# Allegro board A733_PRO3_AXP318_LPDDR5_FBGA315BALL_32X1_V2_0.brd (continued)
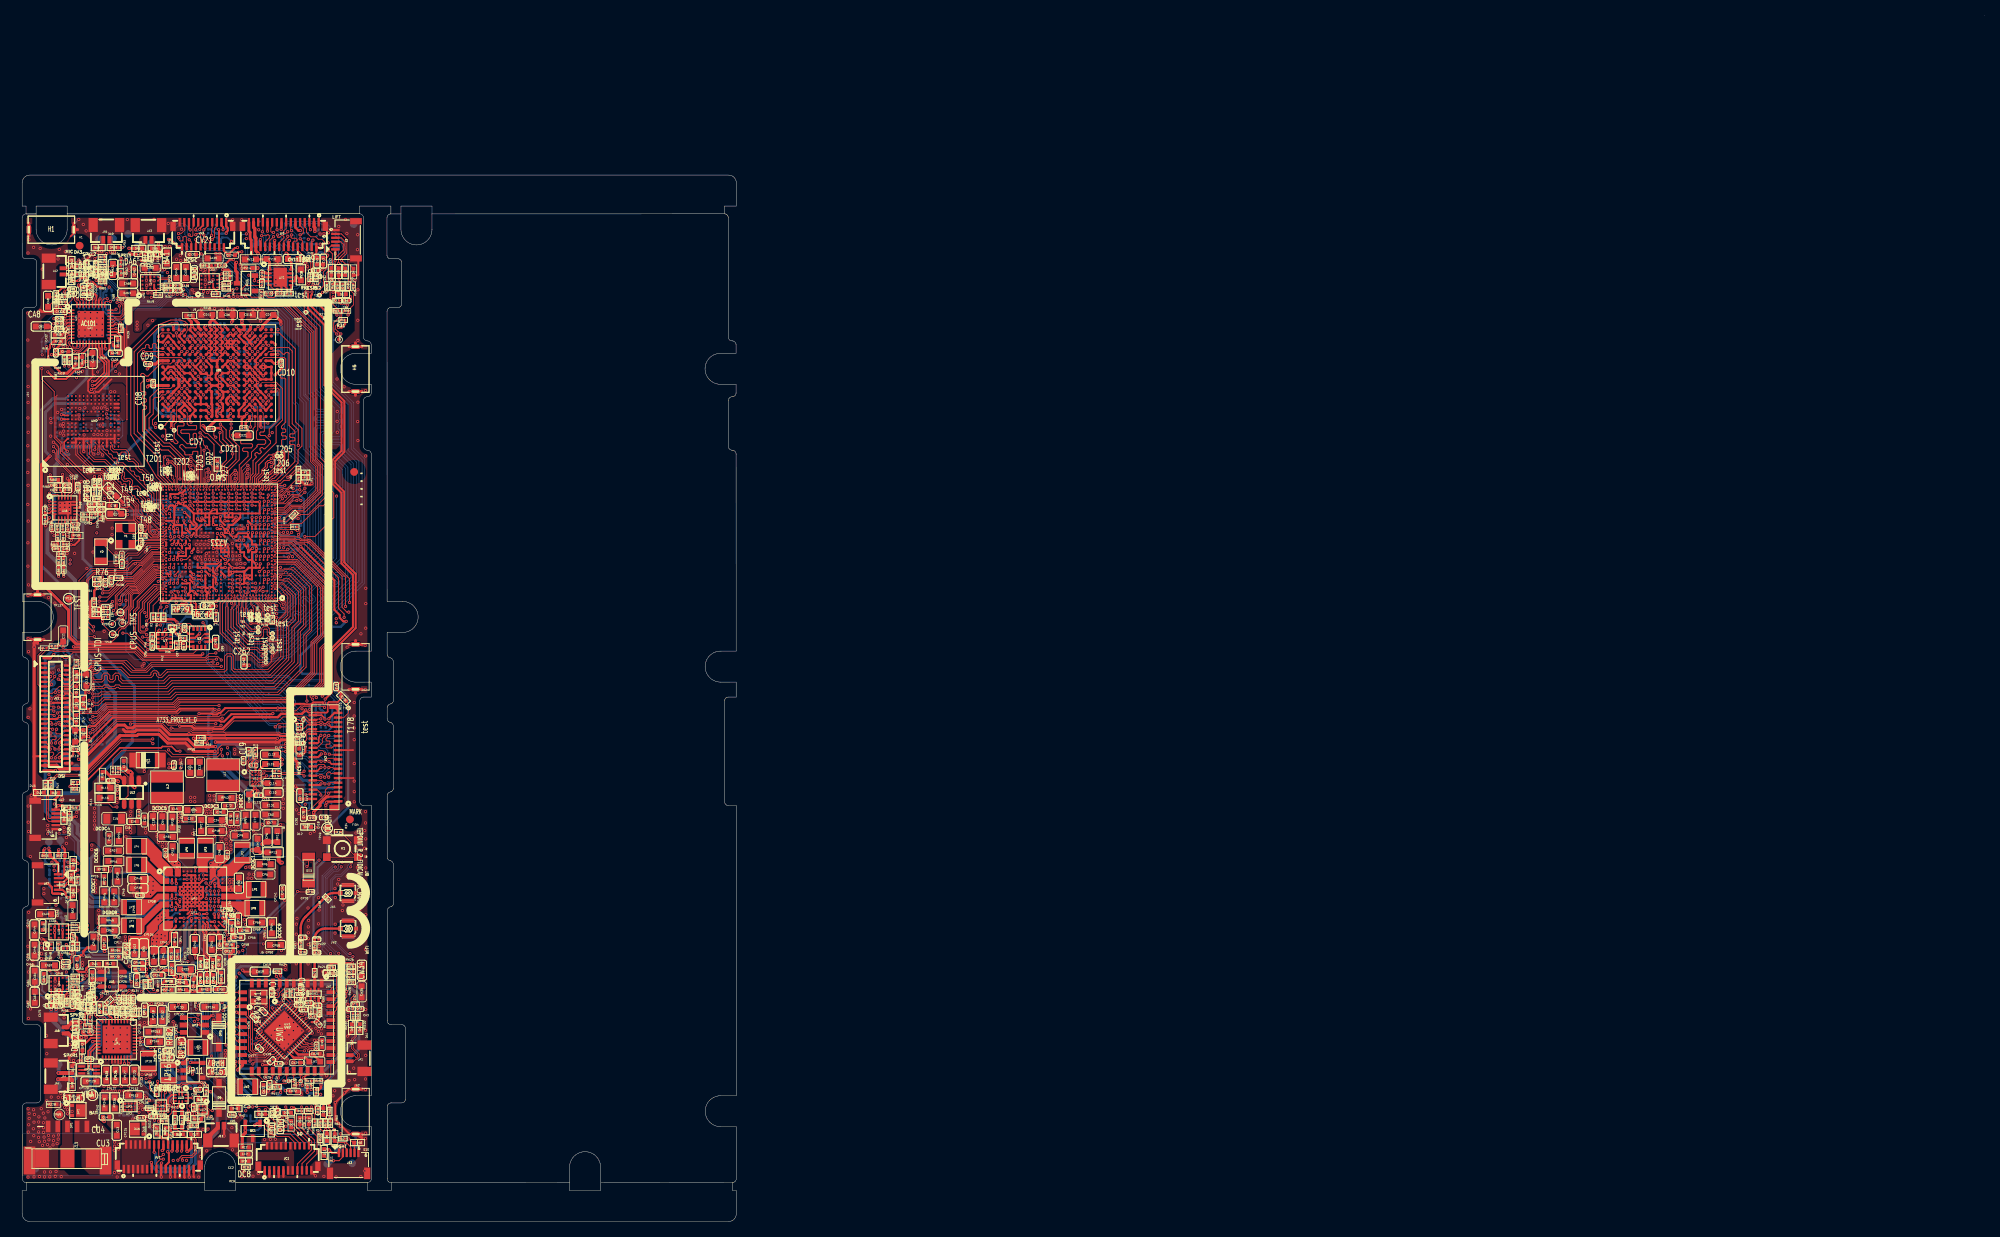
[diagram p0: board, top side]
## Routing (per net, layer and track width the routed paths; a pad name or vN(x,y) marks a point on that pad's centre or on a via; arc(x,y) is an arc through that point) (continued)
  TOP w0.102: 34.82,84.06 34.89,84.06 37.03,81.92 37.03,76.39 36.3,75.67 36.3,71.65 32.94,68.29 19.78,68.29 19.12,67.63 10.46,67.63 9.73,66.9 9.27,66.9 v1(9.11,67.05) ; JL1.39 3.21,60.63 3.29,60.55 3.94,60.55 4.07,60.43 4.07,60.25 3.77,59.94 3.77,59.84 v1(3.76,59.83)
  L4 w0.102: v1(3.76,59.83) 3.59,60 3.59,60.37 3.72,60.5 3.93,60.5 4.11,60.32 4.29,60.32 4.47,60.5 5.14,60.5 5.33,60.69 5.33,60.69 8.1,63.46 8.1,66.36 8.6,66.86 8.89,66.86 v1(9.11,67.05)
  BOTTOM w0.102: TP77.1 5.18,58.41 v1(3.76,59.83)
MIPI-LCD-ID0: length 50.1
  TOP w0.102: v1(4.12,65.28) 3.97,65.43 JL1.23 ; v1(24.96,64.22) 22.28,64.22 22.04,64.47 20.07,64.47 19.84,64.24 18.9,64.24 18.4,64.74 12.13,64.74 8.87,61.48 v1(8.47,61.48)
  TOP w0.114: v1(31.24,83.85) 31.11,83.72 31.11,83.37 U1.1E2
  L4 w0.102: v1(31.24,83.85) 31.24,83.83 32.09,82.98 32.09,80.83 31.37,80.12 30.02,80.12 28.73,78.83 28.73,72.66 25.74,69.66 25.74,65.9 24.96,65.12 v1(24.96,64.22)
  BOTTOM w0.102: v1(8.47,61.48) 8.31,61.48 8.17,61.62 8.15,61.62 6.45,63.32 RL19.2 6.28,63.55 5.32,64.51 RL22.1 4.63,64.77 v1(4.12,65.28)
MIPI-LCD-ID1: length 48.2
  TOP w0.102: v1(8.8,63.04) 9.2,63.04 11.46,65.3 18.66,65.3 19.17,64.79 19.59,64.79 19.82,65.02 22.5,65.02 22.59,64.93 v1(25.79,64.93) ; v1(4.54,65.61) 4.59,65.61 4.74,65.76 4.95,65.76 4.98,65.73 JL1.22
  TOP w0.114: v1(31.75,83.85) 31.61,83.71 31.61,83.37 U1.1E1
  L4 w0.102: v1(25.79,64.93) 25.94,65.09 25.94,69.43 29,72.49 29,78.8 30.02,79.82 31.48,79.82 32.39,80.73 32.39,83.21 v1(31.75,83.85)
  BOTTOM w0.102: v1(8.8,63.04) 8.69,63.14 RL20.2 8.14,63.19 6.6,64.73 RL23.1 5.73,65.49 5.18,65.49 5.07,65.61 v1(4.54,65.61)
MIPI-LCD-ID2: length 47.6
  TOP w0.102: v1(4.08,65.85) 4.05,65.85 3.87,66.03 JL1.21 ; v1(9.1,63.46) 9.33,63.46 11.37,65.51 20.06,65.51 20.44,65.89 24.53,65.89 24.71,65.71 25.01,65.71 25.37,66.06 v1(25.38,66.06)
  TOP w0.114: U1.1C2 31.11,82.37 31.11,82.72 v1(31.24,82.85)
  L4 w0.102: v1(31.24,82.85) 31.47,82.63 31.47,81.1 30.98,80.62 29.9,80.62 28.23,78.94 28.23,72.99 25.03,69.79 25.03,66.42 v1(25.38,66.06)
  BOTTOM w0.102: v1(4.08,65.85) 4.08,65.88 4.2,66 4.99,66 5.17,65.81 6.07,65.81 RL21.2 6.69,65.19 6.69,65.18 6.78,65.09 6.78,64.97 6.8,64.95 6.8,64.82 8.16,63.46 v1(9.1,63.46) 9.25,63.31 9.25,62.28 RL18.1
OVP-INT: length 124
  TOP w0.102: UP2.B1 12.9,14.81 v1(12.89,14.8) ; v1(33.49,94.31) 33.5,94.3 33.5,94.22 33.14,93.86 32.43,93.86 U1.AP2
  L4 w0.102: v1(33.49,94.31) 33.67,94.13 33.67,93.84 33.22,93.39 33.22,93.12 34.11,92.23 36.57,92.23 40.08,88.72 40.08,74.55 39.05,73.52 39.05,69.63 37.99,68.57 37.99,68.12 38.3,67.8 38.3,66.9 38.35,66.85 38.35,65.98 38.91,65.42 39.82,65.42 39.95,65.29 39.95,56.29 39.51,55.84 39.16,55.84 38.87,55.55 38.87,54.85 38.42,54.41 38.42,53.54 39.62,52.35 39.62,35.66 40.18,35.1 40.18,33.67 41.45,32.4 41.45,30.73 42.19,29.99 42.19,28.37 42.46,28.1 42.46,23.01 40.16,20.71 40.16,18.38 38.55,16.76 38.34,16.76 38.13,16.56 38.13,16.28 37.66,15.81 37.66,13.09 34.55,9.98 18.12,9.98 13.31,14.8 v1(12.89,14.8)
  BOTTOM w0.102: v1(12.89,14.8) 13.05,14.96 RP234.2
PA-VDD-L:
  vias: v1(17.81,122.86) v1(18.35,122.83) v1(24.98,124.89) v1(25.48,124.9)
PA-VDD-R: length 5.8
  TOP w0.254: v1(5.96,29.53) 5.88,29.53 5.55,29.19 5.55,28.83 5.75,28.63 RA50.1
  TOP w0.305: RA98.1 5.74,28.48 RA50.1
  L4 w0.305: v1(5.96,29.53) 5.96,29.59 5.99,29.61 5.99,30 4.82,31.16 4.82,31.88 4.65,32.06 v1(4.65,32.06)
  BOTTOM w0.381: v1(4.39,39.98) 4.58,39.79 RA95.1
  vias: v1(4.36,39.46) v1(4.32,32.42)
PCIE-REXT: length 1.3
  TOP w0.102: v1(22.17,81.86) 22.62,82.31 U1.1C19
  BOTTOM w0.102: v1(22.17,81.86) 22.61,81.42 R66.2
PMU-PWRON: length 168.3
  TOP w0.114: v1(38.15,11.48) 38.44,11.19 R53.1 ; RP244.2 7.87,28.3 7.72,28.45 v1(7.72,28.45) ; v1(39.25,120.07) 39.28,120.1 R29.1 ; D13.2 36.92,43.63 CP10.2 35.82,42.52 35.75,42.58 v1(35.5,42.58)
  L3 w0.114: v1(39.25,120.07) 39.25,119.81 38.96,119.52 38.96,96.2 38.25,95.49 38.25,90.21 38.54,89.93 38.54,76.8 36.54,74.8 36.54,69.94 35.61,69.02 35.61,65.97 35.95,65.64 36.57,65.64 37.02,65.19 37.02,54.65 37.26,54.4 37.26,53.28 36.95,52.97 36.95,51.28 32.62,46.94 32.62,43.78 31.39,42.55 31.39,38.62 30.87,38.1 30.87,36.04 v1(31.1,35.81)
  BOTTOM w0.114: v1(38.15,11.48) 37.89,11.23 28.54,11.23 26.99,12.77 26.99,16.13 23.97,19.15 23.97,23.81 22.72,25.06 22.43,25.06 20.97,26.53 20.97,29.77 21.69,30.49 22.94,30.49 ; 22.94,30.49 23.21,30.49 24.2,31.49 25.38,31.49 25.93,32.04 25.93,32.38 27.36,33.81 27.36,35.66 27.62,35.92 30.99,35.92 v1(31.1,35.81) 31.14,35.81 31.67,36.35 31.67,38.59 35.5,42.42 v1(35.5,42.58) ; 22.94,30.49 22.94,32.32 22.65,32.61 22.3,32.61 21.88,32.19 19.61,32.19 18.82,31.41 17.21,31.41 16.56,30.75 15.72,30.75 15.54,30.57 15.24,30.57 15,30.81 14.86,30.81 14.36,31.31 9.81,31.31 8.57,30.07 8.2,30.07 8.08,29.94 8.08,28.81 v1(7.72,28.45)
PMU-SCK: length 114.1
  TOP w0.076: U1.M37 18.14,84.8 18.04,84.71 17.44,84.71 17.41,84.74 17.39,84.74
  TOP w0.102: v1(24.81,41.66) 24.82,41.65 UP1.J13 ; RP10.2 15.89,30.11 16.43,29.57 17.27,29.57 v1(17.47,29.77)
  TOP w0.114: v1(11.77,78.83) 12.02,79.08 12.02,79.6 12.01,79.62 12.01,80.76 13.47,82.23 13.48,82.23 13.58,82.33 14.46,82.33 16.86,84.74 17.39,84.74 ; v1(9.18,25.11) 9.4,24.89 UP4.32
  L4 w0.102: v1(17.47,29.77) 17.52,29.82 17.7,29.82 17.86,29.66 19.54,29.66 19.62,29.73 19.66,29.73 20.08,30.15 20.08,30.19 20.95,31.06 22.7,31.06 23.25,31.61 23.25,32.62 23.66,33.04 23.66,38.25 23.43,38.49 23.43,39.94 23.86,40.38 23.86,40.88 24.07,41.08 24.23,41.08 v1(24.81,41.66) ; v1(15.98,18.45) 15.61,18.09 14.89,18.09 14.25,18.72 10.58,18.72 8.04,21.26 8.04,22.98 8.62,23.55 8.62,24.67 8.84,24.89 8.92,24.89 9.02,24.9 v1(9.18,25.11)
  L4 w0.114: v1(10.44,29.62) 10.44,29.68 10.57,29.82 10.57,31.46 11.19,32.08 11.19,35.4 10.68,35.91 10.68,41.15 9.92,41.91 9.92,46.11 10.24,46.43 10.24,48.23 11.55,49.54 11.55,56.88 13.32,58.64 13.32,74.71 12.35,75.68 12.35,76.57 11.9,77.02 11.9,78.05 11.74,78.22 11.74,78.8 v1(11.77,78.83)
  BOTTOM w0.102: v1(17.47,29.77) 17.18,29.49 16.57,29.49 15.75,28.66 15.72,28.66 15.71,28.65 15.69,28.65 ; v1(15.98,18.45) 15.79,18.27 15.79,17.78 16.23,17.35 16.33,17.35 16.53,17.56 RP302.1
  BOTTOM w0.114: 15.69,28.65 12.76,28.65 12.06,29.35 11.29,29.35 11.16,29.22 10.84,29.22 v1(10.44,29.62) 10.33,29.73 9.49,29.73 8.75,29 8.75,28.38 7.68,27.3 7.68,26.6 8.81,25.47 8.81,25.14 8.92,25.03 9.09,25.03 v1(9.18,25.11)
PMU-SDA: length 111.6
  TOP w0.076: U1.M36 18.51,84.8 18.27,84.55 17.44,84.55 17.41,84.52 17.39,84.52
  TOP w0.102: RP9.2 16.95,30.03 v1(16.95,29.93) ; UP1.J12 24.32,41.6 v1(24.28,41.64)
  TOP w0.114: 17.39,84.52 16.95,84.52 14.54,82.11 13.66,82.11 13.57,82.01 13.56,82.01 12.22,80.67 12.22,79.7 12.24,79.69 12.24,78.66 12.1,78.52 v1(12.1,78.37) ; v1(9.26,24.55) 9.32,24.49 UP4.33
  L4 w0.102: v1(15.41,18.45) 14.81,18.45 14.34,18.93 10.66,18.93 8.25,21.34 8.25,22.9 8.82,23.47 8.82,24.58 8.92,24.68 9.05,24.7 v1(9.26,24.55) ; v1(16.95,29.93) 17.17,30.15 17.66,30.15 17.95,29.86 19.46,29.86 19.53,29.94 19.58,29.94 19.87,30.23 19.87,30.27 20.87,31.27 22.62,31.27 23.04,31.69 23.04,32.71 23.46,33.12 23.46,38.17 23.22,38.41 23.22,40.03 23.66,40.47 23.66,40.97 24.28,41.58 v1(24.28,41.64)
  L4 w0.114: v1(10.95,29.67) 10.79,29.83 10.79,31.37 11.4,31.99 11.4,35.49 10.89,36 10.89,41.24 10.14,42 10.14,46.02 10.48,46.36 10.48,48.08 11.77,49.37 11.77,56.79 13.53,58.55 13.53,74.8 12.57,75.77 12.57,76.66 12.2,77.03 12.2,78.27 v1(12.1,78.37)
  BOTTOM w0.102: RP301.1 16.53,16.94 16.33,17.15 16.14,17.15 15.59,17.7 15.59,18.27 v1(15.41,18.45) ; v1(16.95,29.93) 16.93,29.96 16.71,29.96 15.61,28.87
  BOTTOM w0.114: 15.61,28.87 12.85,28.87 12.15,29.57 11.06,29.57 v1(10.95,29.67) 10.55,30.07 9.51,30.07 8.53,29.09 8.53,28.47 7.46,27.39 7.46,26.51 8.6,25.38 8.6,25.05 9.1,24.55 v1(9.26,24.55)
POWKEY: length 7.5
  TOP w0.114: J2.2 39.86,125.92 39.42,125.47 39.42,125.29 v1(39.45,125.26) 39.6,125.26 39.99,124.86 39.99,123.86 40,123.86 40,123.2 39.87,123.07 D5.2 39.86,123.02 39.86,122.93 39.58,122.66 39.52,122.66 39.28,122.42 R29.2
  BOTTOM w0.114: TP30.1 38.64,124.73 39.17,125.26 v1(39.45,125.26)
POWKEY-1: length 6.6
  TOP w0.114: J12.2 41.35,8.34 40.86,7.85 40.15,7.85 v1(40.14,7.83) 40.12,7.85 39.57,7.85 D11.2 38.44,8.99 R53.2
  BOTTOM w0.254: v1(40.14,7.83) 39.72,7.42 TP52.1
PS: length 0.5
  TOP w0.254: 24.83,44.67 UP1.B13
  BOTTOM w0.305: v1(21.04,23.22) 21.04,23.22 RP77.1
  vias: v1(2.8,42.94) v1(2.8,42.3) v1(7.02,123.73) v1(7.31,124.05) v1(7.59,123.72) v1(13.85,36.69) v1(13.86,36.13) v1(16.34,43.85) v1(16.31,43.29) v1(16.3,42.72) v1(16.56,42.21) v1(16.89,43.86) v1(16.89,43.29) v1(16.86,42.72) v1(17.54,39.35) v1(17.54,38.93) v1(17.99,39.54) v1(18,39.02) v1(18.39,39.82) v1(18.42,125.81) v1(18.41,39.25) v1(19.02,125.79) v1(19.15,46.4) v1(19.67,46.2) v1(19.74,45.68) v1(20.18,46.21) v1(20.28,45.64) v1(20.38,23.73) v1(20.81,23.72) v1(21.72,54.72) v1(21.72,54.22) v1(22.25,54.71) v1(22.26,54.16) v1(22.32,37.62) v1(22.32,37.14) v1(24.33,46.19) v1(24.33,45.64) v1(24.86,46.37) v1(24.91,45.63) v1(25.31,46) v1(26.11,46.57) v1(26.22,22.06) v1(26.21,21.6) v1(26.21,21.15) v1(26.67,43.15) v1(26.84,42.75) v1(27.18,43.17) v1(27.35,42.76) v1(28.11,123.48) v1(28.28,122.99)
RESET-KEY: length 10.6
  TOP w0.114: R28.2 42.3,121.32 42.3,122.47 42.71,122.88 D4.2 42.14,123.52 41.69,123.52 v1(41.18,124.03) 41.18,124.26 41.86,124.94 41.86,126.72 41.16,127.42 J2.5
  BOTTOM w0.102: TP33.1 41.18,123.1 v1(41.18,124.03)
RESET-KEY-1: length 3.9
  TOP w0.102: R52.2 42.06,10.69 v1(42.1,10.65)
  TOP w0.127: J12.5 42.85,10.12 D10.2 42.64,10.17 42.16,10.65 v1(42.1,10.65)
  BOTTOM w0.102: v1(42.1,10.65) 42.16,10.65 42.47,10.34 42.49,10.34 42.5,10.32 42.52,10.32 42.53,10.31 42.6,10.31 TP54.1
RTC-VIO: length 4.6
  TOP w0.114: v1(20.19,88.41) 20.24,88.36 20.24,88.23 U1.1P23
  L4 w0.178: v1(17.11,88.95) 17.29,88.95 17.43,88.81 19.8,88.81 v1(20.19,88.41)
  BOTTOM w0.254: v1(17.11,88.95) 16.94,89.12 C40.1
RTCLDO-BMU: length 2.2
  TOP w0.203: CP129.2 8.66,24.22 8.79,24.09 UP4.34
  TOP w0.305: CP129.2 8.66,24.83 8.72,24.88 RP19.1
RTCLDO-PMU: length 5.6
  TOP w0.254: CP2.2 27.64,39.32 27.44,39.11 27,39.11 26.44,39.67 UP1.M15
  TOP w0.305: v1(27.73,39.79) 27.87,39.65 CP2.2
  BOTTOM w0.305: RP55.1 27.91,41.36 TP56.1 27.91,39.97 v1(27.73,39.79)
SBU2: length 2.4
  TOP w0.254: DU10.2 23.25,13.42 UU2.B3 UU2.A3
  TOP w0.305: RU10.1 23.08,13.03 DU10.2
SCA0-A: length 15.6
  TOP w0.114: U1.1AC16 23.73,92.35 23.64,92.44 v1(23.64,92.44)
  TOP w0.127: UD1.G4 22.01,105.93 22.01,105.88 22,105.88 22,105.87 v1(21.99,105.86)
  L4 w0.114: v1(23.64,92.44) 23.63,92.45 23.63,92.45 23.25,92.82 23.25,94.93 23.21,94.97 23.21,99.12 22.95,99.38 22.95,100.11 22.08,100.98 22.08,101.54 21.43,102.19 21.43,105.31 v1(21.99,105.86)
SCA0-B: length 22.9
  TOP w0.114: U1.1AE12 25.74,93.35 v1(25.63,93.47)
  TOP w0.127: UD1.R12 27.93,112.71 27.59,113.05 v1(27.58,113.05)
  L4 w0.114: v1(25.63,93.47) 26.03,93.87 26.03,100.64 24.72,101.95 24.72,110.46 25.11,110.85 25.67,110.85 27.58,112.77 v1(27.58,113.05)
SCA1-A: length 15.2
  TOP w0.114: v1(24.63,93.98) 24.57,94.03 U1.AT21
  TOP w0.127: UD1.H5 23.37,106.72 v1(23.37,106.65)
  L4 w0.114: v1(24.63,93.98) 23.51,95.1 23.51,98.66 24.26,99.41 24.26,100.15 23.41,101.01 23.41,102.06 22.9,102.57 22.9,105.16 23.15,105.41 23.15,106.43 v1(23.37,106.65)
SCA1-B: length 18.9
  TOP w0.114: v1(25.51,101.78) 25.45,101.72 25.45,100.76 26.34,99.87 26.34,98.23 25.86,97.76 25.86,94.89 U1.AU18
  TOP w0.127: v1(26.88,111.46) 26.88,111.51 UD1.P11
  L4 w0.114: v1(25.51,101.78) 25.14,102.14 25.14,110.15 25.46,110.47 25.9,110.47 v1(26.88,111.46)
SCA2-A: length 20.6
  TOP w0.114: U1.1AB16 23.72,91.85 23.65,91.92 v1(23.62,91.92)
  TOP w0.127: UD1.G8 21.98,109.8 v1(21.98,109.85)
  L4 w0.114: v1(21.98,109.85) 21.96,109.85 21.63,109.52 21.63,107 20.94,106.3 20.94,102.09 21.67,101.37 21.67,100.8 22.52,99.95 22.52,99.39 22.79,99.12 22.79,94.61 23.01,94.4 23.01,92.56 23.62,91.95 v1(23.62,91.92)
SCA2-B: length 19.8
  TOP w0.114: v1(26.63,91.92) 26.64,91.92 26.72,91.85 U1.1AB10
  TOP w0.127: UD1.R8 27.93,109.49 v1(27.57,109.85)
  L3 w0.114: v1(26.63,91.92) 26.65,91.94 26.67,91.94 26.94,92.21 27.05,92.37 27.12,92.78 27.05,93.17 27.28,94.45 27.9,95.33 28.64,99.53 28.95,101.31 28.78,102.29 28.6,103.32 28.67,103.77 28.58,104.29 28.72,105.06 28.57,105.88 28.68,106.51 28.27,108.86 v1(27.57,109.85)
SCA3-A: length 21.1
  TOP w0.114: U1.1AC14 24.72,92.35 24.64,92.44 v1(24.63,92.44)
  TOP w0.127: UD1.H11 23.38,111.5 23.38,111.46 v1(23.37,111.45)
  L3 w0.114: v1(24.63,92.44) 24.63,92.44 24.28,92.79 24.28,92.79 24.11,93.77 24.53,96.17 24.34,97.25 24.13,97.55 23.96,98.5 24.23,100.06 24.04,101.16 24.14,101.71 24.44,102.14 24.56,102.8 24.42,103.6 24.59,104.6 24.46,105.33 24.59,106.03 24.39,107.12 24.6,108.3 24.39,109.53 24.45,109.9 24.34,110.52 24,111.01 v1(23.37,111.45)
SCA3-B: length 15.2
  TOP w0.114: U1.1AF12 25.75,93.85 v1(25.63,93.98)
  TOP w0.127: UD1.P5 26.87,107.42 26.87,107.45 v1(26.87,107.45)
  L3 w0.114: v1(25.63,93.98) 25.47,94.13 25.27,94.41 25.12,95.31 25.25,96.07 25.71,96.73 26.25,99.77 26.04,100.93 26.34,102.62 26.01,104.5 26.42,106.81 v1(26.87,107.45)
SCA4-A: length 19
  TOP w0.114: U1.1AF16 23.75,93.85 v1(23.63,93.98)
  TOP w0.127: UD1.G10 22.69,111.42 v1(22.69,111.46)
  L3 w0.114: v1(22.7,111.46) 23.39,107.54 23.78,106.98 23.88,106.43 23.45,104.03 23.74,102.41 23.42,100.61 23.15,100.23 22.95,99.1 23.63,95.3 v1(23.63,93.98)
SCA4-B: length 16
  TOP w0.114: U1.1AF10 26.75,93.85 v1(26.63,93.97)
  TOP w0.127: UD1.R6 27.57,108.21 27.57,108.24 v1(27.57,108.24)
  L3 w0.114: v1(26.63,93.97) 26.66,94 26.66,94.36 27.19,97.39 27.93,98.45 28.1,99.37 28.48,101.53 28.34,102.29 28.21,103.06 28.34,103.81 28.23,104.44 28.38,105.26 28.27,105.88 28.33,106.25 28.28,106.5 28.11,107.47 v1(27.57,108.24)
SCA5-A: length 22.5
  TOP w0.114: U1.1AE16 23.74,93.35 v1(23.63,93.47)
  TOP w0.127: v1(22.68,113.85) 22.67,113.85 22.67,113.81 UD1.H13
  L3 w0.114: v1(23.63,93.47) 23.34,93.58 23.15,93.86 22.99,94.78 22.61,95.32 22.38,96.64 22.54,97.58 21.99,100.73 22.75,105.07 22.6,105.93 22.18,106.53 21.9,108.13 22.07,109.13 22.49,109.72 22.53,109.98 22.33,111.15 22.33,113.5 v1(22.68,113.85)
SCA5-B: length 15.2
  TOP w0.114: v1(26.62,92.44) 26.63,92.44 26.72,92.35 U1.1AC10
  TOP w0.127: v1(26.88,105.84) 26.87,105.84 26.87,105.81 UD1.P3
  L3 w0.114: v1(26.88,105.84) 27.17,105.42 27.32,105.2 27.36,104.99 27.29,104.6 27.47,103.61 27.3,102.67 27.51,101.51 27.27,100.15 26.71,99.36 25.88,94.62 26.18,92.88 26.19,92.88 26.62,92.45 v1(26.62,92.44)
SCA6-A: length 22.3
  TOP w0.114: U1.1AE14 24.74,93.35 v1(24.62,93.47)
  TOP w0.127: UD1.G12 22.68,113 v1(22.68,113.05)
  L3 w0.114: v1(22.68,113.05) 22.68,113.05 22.7,113.05 23.94,111.81 24.23,111.81 24.51,111.61 24.85,111.12 25.01,110.22 24.86,109.34 25.04,108.31 24.83,107.11 25,106.11 24.86,105.32 25.02,104.43 24.84,103.41 25,102.48 24.93,102.04 24.62,101.6 24.52,101.04 24.7,100.05 24.46,98.7 24.9,96.21 24.69,95.04 24.78,94.55 24.99,94.24 25.03,94.07 25.03,93.87 v1(24.62,93.47)
SCA6-B: length 14.9
  TOP w0.114: v1(26.62,93.47) 26.74,93.35 U1.1AE10
  TOP w0.127: UD1.R4 27.58,106.61 v1(27.58,106.64)
  L3 w0.114: v1(27.58,106.64) 27.58,106.52 27.87,106.22 28.02,105.38 27.87,104.54 28.02,103.73 27.83,102.7 27.91,102.29 28.03,101.57 27.91,100.84 27.55,98.83 27.52,98.66 26.86,97.72 26.25,94.26 26.25,93.84 v1(26.62,93.47)
SCKN-A: length 20.5
  TOP w0.076: U1.AT22 24.17,94.46 23.93,94.71 23.93,95.12 23.76,95.28 23.64,95.4 23.64,95.74 v1(23.98,96.07)
  TOP w0.127: UD1.J9 23.37,110.62 v1(23.37,110.65)
  L4 w0.127: v1(23.98,96.07) 24.06,96.15 24.47,96.15 25.13,96.81 25.13,97.87 24.84,98.17 24.54,98.17 24.41,98.29 24.41,98.55 24.54,98.68 24.84,98.68 25.13,98.97 25.13,100.38 24.25,101.26 24.25,102.71 23.72,103.24 23.72,105.48 24.25,106.01 24.25,106.68 23.7,107.22 23.7,109.19 24.16,109.65 24.16,110.07 23.84,110.39 23.63,110.39 23.38,110.64 23.38,110.64 v1(23.37,110.65)
SCKN-B: length 16.2
  TOP w0.076: U1.AT15 26.97,94.46 27.21,94.7 27.21,94.82 27.22,94.83 27.22,94.97 26.99,95.2 26.99,96.11 27.29,96.41 v1(27.46,96.41)
  TOP w0.127: v1(26.9,108.25) 26.88,108.27 26.88,108.49 26.72,108.65 UD1.N7
  L4 w0.127: v1(26.9,108.25) 26.87,108.25 26.8,108.33 26.62,108.33 26.47,108.18 26.47,101.32 26.77,101.02 26.77,96.7 27.17,96.3 27.36,96.3 v1(27.46,96.41)
SCKP-A: length 20.7
  TOP w0.076: v1(23.98,96.58) 23.98,96.7 23.9,96.78 23.75,96.78 23.64,96.67 23.64,95.96 23.49,95.8 23.49,95.34 23.77,95.06 U1.AT23
  TOP w0.127: UD1.H9 23.03,110.03 23.19,109.87 23.33,109.87 23.35,109.85 v1(23.36,109.85)
  L4 w0.127: v1(23.36,109.85) 23.36,109.86 23.36,109.97 23.49,110.1 23.72,110.1 23.86,109.95 23.86,109.77 23.41,109.31 23.41,107.1 23.95,106.56 23.95,106.13 23.43,105.6 23.43,103.12 23.95,102.59 23.95,101.14 24.84,100.25 24.84,99.09 24.71,98.97 24.42,98.97 24.12,98.67 24.12,98.17 24.42,97.88 24.71,97.88 24.84,97.75 24.84,96.94 24.35,96.44 24.12,96.44 v1(23.98,96.58)
SCKP-B: length 16.4
  TOP w0.076: v1(27.46,95.9) 27.15,95.58 27.15,95.26 27.37,95.03 U1.AT14
  TOP w0.127: UD1.P7 26.88,109.01 v1(26.88,109.04)
  L4 w0.127: v1(26.88,109.04) 26.88,109 26.18,108.3 26.18,101.2 26.48,100.9 26.48,96.58 27.05,96.01 27.36,96.01 v1(27.46,95.9)
SCS0-A: length 16.4
  TOP w0.102: U1.AU24 23.37,95.01 23.17,95.21 23.17,97.23 23.24,97.29
  TOP w0.114: 23.24,97.29 23.45,97.51 v1(23.45,99.51)
  TOP w0.127: UD1.H7 22.73,108.96 22.73,109.03 22.7,109.05 v1(22.7,109.05)
  L4 w0.114: v1(22.7,109.05) 22.6,109.05 22.01,108.46 22.01,106.4 22.39,106.02 22.39,105.71 21.88,105.2 21.88,104.59 22.12,104.36 22.12,102.11 22.5,101.73 22.5,101.15 23.4,100.26 23.4,99.56 v1(23.45,99.51)
SCS0-B: length 18.8
  TOP w0.076: U1.AT16 26.57,94.46 26.34,94.7 26.34,95.36
  TOP w0.114: v1(25.56,102.88) 26.3,102.13 26.3,101.09 27.18,100.21 27.18,100.21 27.56,99.82 27.56,98.3 26.34,97.07 26.34,95.36
  TOP w0.127: UD1.P9 26.88,110.61 v1(26.88,110.66)
  L4 w0.114: v1(26.88,110.66) 25.84,109.62 25.84,103.79 25.56,103.5 v1(25.56,102.88)
SCS1-A: length 14.8
  TOP w0.114: v1(22.94,101.76) 23.49,101.21 23.79,101.21 24.73,100.26 24.73,94.96 U1.AU21
  TOP w0.127: v1(22.68,107.47) 22.68,107.5 UD1.G6
  L4 w0.114: v1(22.68,107.47) 22.68,107.13 22.35,106.8 22.35,106.44 22.78,106.02 22.78,105.54 22.53,105.3 22.53,102.31 22.92,101.92 22.92,101.77 v1(22.94,101.76)
SCS1-B: length 19.1
  TOP w0.076: v1(26.96,102.38) 26.97,102.37 26.97,102.29
  TOP w0.102: 26.7,96.99 26.57,96.87 U1.AU16
  TOP w0.114: 26.97,102.29 26.76,102.08 26.76,101.22 27.6,100.39 27.6,100.38 27.98,99.99 27.98,98.27 26.7,96.99
  TOP w0.127: v1(27.56,111.45) 27.56,111.45 27.56,111.42 UD1.R10
  L4 w0.114: v1(27.56,111.45) 27.56,111.45 27.56,111.42 28.12,110.86 28.12,105.78 27.57,105.22 27.57,102.98 v1(26.96,102.38)
SD-PWN: length 95.1
  TOP w0.076: U1.AM2 33.64,92.8
  TOP w0.102: v1(36.46,94.61) 35.66,93.81 34.84,93.81 34.8,93.77 34.69,93.77 33.73,92.8 33.64,92.8
  L3 w0.102: v1(27.93,34.78) 27.93,35.1 28.16,35.33 28.16,35.6 29.42,36.85 29.42,39.56 29.82,39.96 29.82,42.92 31.2,44.29 31.2,47.99 34.26,51.05 34.26,59.84 34.83,60.41 34.83,65.24 34.55,65.52 34.55,69.54 35.5,70.48 35.5,75.31 37.52,77.33 37.52,89.49 36.91,90.09 36.91,94.16 v1(36.46,94.61)
  BOTTOM w0.102: v1(27.93,34.78) 27.92,34.77 27.92,33.78 26.69,32.55 26.69,30.81 25.51,29.63 24.32,29.63 23.84,29.15 23.84,25.22 24.96,24.1 24.96,19.56 28.46,16.06 28.46,14.14 RC7.1
SDC0-CLK: length 97.5
  TOP w0.102: v1(35.63,88.64) 35.81,88.82 35.81,89.37 35.55,89.62 RC1.2
  TOP w0.114: DC3.2 33.26,11.81 ; 33.26,11.81 33.59,12.14 33.84,12.14 v1(33.99,12.29) ; 33.26,11.81 33.36,11.72 34.78,11.72 36.38,10.12 JC1.18
  L4 w0.114: v1(33.99,12.29) 35.11,13.41 35.11,18.63 39.47,22.99 39.47,25.3 39.34,25.43 39.02,25.43 38.89,25.55 38.89,25.76 39.02,25.88 39.34,25.88 39.47,26.01 39.47,26.21 39.34,26.34 38.89,26.34 38.77,26.47 38.77,26.67 38.89,26.8 39.34,26.8 39.47,26.93 39.47,27.13 39.34,27.26 38.89,27.26 38.77,27.38 38.77,27.59 38.89,27.71 39.3,27.71 39.42,27.84 39.42,28.02 39.22,28.22 39.22,28.25 39.22,28.65 38.53,29.34 36.52,29.34 35.39,30.47 35.39,30.48 34.92,30.95 34.92,39.76 37.09,41.94 37.09,47.12 35.87,48.34 35.87,51.12 34.03,52.96 34.03,54.85 33.51,55.37 33.51,57.11 33.5,57.12 32.33,58.29 32.33,61.29 31.51,62.11 31.51,65.9 36.42,70.81 36.42,74.66 37.43,75.67 37.43,86.84 v1(35.63,88.64)
SDC0-CMD: length 98
  TOP w0.076: 33.34,89.26 33.24,89.36 32.48,89.36 32.24,89.6 U1.AD2
  TOP w0.102: 33.34,89.26 35.11,89.26 35.22,89.15 v1(35.48,89.15)
  TOP w0.114: v1(36.02,14.76) 36.02,14.75 RC4.1 36.02,14.07 36.25,13.84 37.26,13.84 37.39,13.71 37.39,12.96 36.98,12.55 DC2.2 36.96,12.03 38.02,10.97 38.02,8.75 36.68,7.42 JC1.19
  L4 w0.114: v1(36.02,14.76) 36.02,14.9 36.39,15.26 36.39,16.8 39.83,20.24 39.83,20.85 39.89,20.91 39.89,28.71 36.46,32.14 36.46,40.71 37.51,41.76 37.51,47.29 36.31,48.49 36.31,51.29 34.45,53.15 34.45,55.02 33.93,55.55 33.93,57.28 33.92,57.29 32.75,58.46 32.75,61.46 31.93,62.28 31.93,64.56 33.48,66.12 33.48,67.22 36.84,70.57 36.84,74.48 37.85,75.5 37.85,87.44 36.14,89.15 v1(35.48,89.15)
SDC0-D0: length 97.1
  TOP w0.076: 33.44,88.59 32.99,89.04 32.48,89.04 32.24,88.8 U1.AB2
  TOP w0.102: v1(34.74,88.91) 34.42,88.59 33.44,88.59
  TOP w0.114: JC1.14 35.18,10.15 34.37,10.96 32.89,10.96 32.7,11.14 32.35,11.14 DC7.2 31.89,11.39 31.22,12.05 31.22,12.57 31.73,13.08 v1(31.8,13.08)
  L4 w0.114: v1(31.8,13.08) 31.8,14.73 30.93,15.59 30.93,18.63 31.57,19.27 33.08,19.27 33.66,19.84 33.66,21.27 31.33,23.6 31.33,24.41 34.63,27.71 34.63,30.16 33.93,30.85 33.93,31.77 33.33,32.37 33.33,32.98 34.15,33.81 34.15,40.08 35.99,41.92 35.99,46.84 34.98,47.85 34.98,50.87 32.74,53.11 32.74,56.8 31.53,58 31.53,61.01 30.75,61.79 30.75,66.22 35.66,71.13 35.66,74.97 36.67,75.99 36.67,86.8 35.32,88.15 35.24,88.15 34.74,88.65 v1(34.74,88.91)
SDC0-D1: length 98.9
  TOP w0.114: U1.1U1 31.62,89.75 v1(31.76,89.89) ; v1(33.98,14.77) 33.98,14.71 DC6.2 35.17,13.52 35.17,12.39 37.07,10.5 37.18,10.5 37.33,10.36 37.33,9.27 35.48,7.42 JC1.15
  L4 w0.114: v1(31.76,89.89) 33.72,89.89 34.28,89.34 34.79,89.34 35.14,88.99 35.14,88.64 36.7,87.08 36.7,87.04 36.86,86.88 36.86,86.82 37.02,86.67 37.02,75.85 36,74.83 36,70.99 31.09,66.08 31.09,61.94 31.91,61.11 31.91,58.11 33.08,56.95 33.09,56.93 33.09,53.25 35.32,51.02 35.32,47.99 36.34,46.98 36.34,42.06 36.34,41.78 34.5,39.94 34.5,30.78 34.97,30.3 34.97,27.57 31.67,24.27 31.67,23.74 33.89,21.52 34.24,21.52 34.98,20.77 34.98,19.47 34.13,18.62 34.13,17.34 34.45,17.02 34.45,15.24 v1(33.98,14.77)
SDC0-D2: length 99.7
  TOP w0.114: v1(31.35,14.44) 31.33,14.42 DC5.2 31.62,13.83 32.66,12.79 32.66,11.68 33.04,11.3 34.56,11.3 35.78,10.08 JC1.16 ; U1.1R4 30.12,88.74 30.22,88.83 v1(30.22,88.85)
  L4 w0.114: v1(31.35,14.44) 31.35,14.57 30.16,15.76 30.16,18.53 31.24,19.61 32.85,19.61 33.31,20.07 33.31,21.12 30.98,23.45 30.98,24.55 34.28,27.85 34.28,29.96 33.45,30.79 32.64,30.79 32.25,31.19 32.25,32.49 33.33,33.57 33.33,33.58 33.81,34.06 33.81,40.52 35.04,41.74 35.04,46.97 34.64,47.36 34.64,50.51 32.37,52.77 32.37,55.75 30.68,57.44 30.68,58.19 31.19,58.7 31.19,60.86 30.4,61.65 30.4,66.36 35.31,71.27 35.31,75.12 36.32,76.12 36.32,86.18 34.5,88 33.54,88 32.34,89.19 30.56,89.19 v1(30.22,88.85)
SDC0-D3: length 104.8
  TOP w0.114: JC1.17 36.08,7.48 37.67,9.07 37.67,9.12 37.67,9.12 37.67,9.13 37.68,9.13 37.68,10.5 37.27,10.91 37.15,10.91 35.77,12.29 DC4.2 36.39,12.54 v1(36.39,12.53) ; U1.1R1 31.62,88.71 31.75,88.83 v1(31.75,88.85)
  L4 w0.114: v1(31.75,88.85) 32.26,88.85 33.32,87.79 34.42,87.79 35.97,86.24 35.97,76.26 34.97,75.25 34.97,71.41 30.06,66.5 30.06,61.51 30.85,60.72 30.85,58.85 30.33,58.33 30.33,57.29 32.01,55.61 32.01,52.37 32.63,51.75 32.63,51.74 32.64,51.74 32.64,51.06 34.29,49.41 34.29,45.59 33.47,44.76 33.47,37.67 32.99,37.19 32.99,33.72 31.83,32.56 31.83,30.86 32.34,30.35 33.22,30.35 33.93,29.64 33.93,27.99 32.5,26.56 32.37,26.56 30.74,26.56 28.87,24.68 28.87,20.54 29.74,19.67 29.74,15.4 30.08,15.06 30.08,13.32 31.67,11.73 35.59,11.73 v1(36.39,12.53)
SDC0-DET: length 87.5
  TOP w0.102: RC6.1 32.08,14.26 31.5,14.83 29.81,14.83 29.76,14.78 v1(29.71,14.78)
  TOP w0.114: U1.1R3 30.62,88.73 30.73,88.83 v1(30.73,88.85)
  L4 w0.114: v1(30.73,88.85) 31.4,88.19 31.9,88.19 32.65,87.44 34.17,87.44 35.65,85.97 35.65,84.9 35.63,84.88 35.63,76.4 34.62,75.4 34.62,75.37 34.61,75.36 34.61,71.56 29.72,66.66 29.72,57.41 31.66,55.47 31.66,52.23 32.29,51.6 32.29,50.9 33.86,49.33 33.86,45.84 33.07,45.04 33.07,38 32.64,37.57 32.64,33.86 29.03,30.24 29.03,27.62 28.53,27.12 28.53,16.12 29.71,14.94 v1(29.71,14.78)
SDQ0: length 26.9
  TOP w0.114: v1(15.66,112.23) 15.68,112.25 18.28,112.25 18.68,111.85 UD1.B11 ; v1(20.63,93.63) 20.86,93.85 U1.1AF22
  L4 w0.114: v1(15.66,112.23) 15.55,112.23 15.21,111.99 13.82,110.61 13.82,99.79 16.19,97.42 16.19,96.89 18.89,94.19 19.93,94.19 20.49,93.63 v1(20.63,93.63)
SDQ1: length 25
  TOP w0.102: 20.58,97.8 20.67,97.71 20.67,94.9 U1.AU31
  TOP w0.114: UD1.C10 19.14,110.66 17.81,110.66 16.22,109.07 15.98,109.07 15.63,109.42 15.42,109.42 15.29,109.3 15.29,109.12 15.61,108.79 15.61,108.46 15.29,108.14 15.29,107.19 15.41,107.07 15.82,107.07 15.94,106.96 15.94,106.73 15.82,106.62 15.62,106.62 15.51,106.5 15.51,106.28 15.62,106.17 15.9,106.17 16.02,106.05 16.02,105.83 15.9,105.71 15.62,105.71 15.51,105.6 15.51,105.37 15.62,105.25 15.9,105.25 16.02,105.14 16.02,104.91 15.9,104.8 15.62,104.8 15.51,104.68 15.51,101.98 17.96,99.53 18.84,99.53 20.58,97.8
SDQ2: length 26.9
  TOP w0.114: U1.1AC20 22.12,92.43 v1(21.62,92.94) ; UD1.F11 21.63,111.91 v1(21.98,112.26)
  L4 w0.076: 20.75,94.31 21.12,93.93 21.12,93.47 21.62,92.97 v1(21.62,92.94)
  L4 w0.114: v1(21.98,112.26) 21.98,112.25 21.91,112.25 20.77,111.11 19.85,111.11 17.92,109.18 17.92,108.33 17.59,108 17.05,108 16.22,107.17 16.22,100.82 17.93,99.11 18.45,99.11 19.11,98.45 19.11,95.28 19.71,94.68 20.37,94.68 20.75,94.31
SDQ3: length 29.8
  TOP w0.114: v1(20.65,93.12) 20.88,93.35 U1.1AE22 ; UD1.C14 19.14,114.65 17.95,114.65 17.58,114.28 v1(17.58,114.17)
  L4 w0.114: v1(20.65,93.12) 20.56,93.12 19.73,93.95 18.75,93.95 15.89,96.8 15.89,97.11 15.72,97.28 13.4,99.6 13.4,110.84 14.72,112.16 15.53,112.73 16.14,112.73 v1(17.58,114.17)
SDQ4: length 27.6
  TOP w0.102: 17.51,96.31 18.88,94.94 18.88,94.5 U1.AT35
  TOP w0.114: UD1.D15 20.23,115.72 20,115.95 19.24,115.95 17.55,115.3 17.18,114.93 14.44,112.21 14.44,101.67 17.51,98.6 17.51,96.31
SDQ5: length 29.6
  TOP w0.089: UD1.E14 21.28,114.93 21.28,115.32
  TOP w0.114: 21.28,115.32 21.28,115.83 21.02,116.09 20.4,116.32 19.17,116.32 17.18,115.56 14.01,112.4 14.01,101.49 14.08,101.42 16.22,97.88 17.34,96.04 U1.AU36
SDQ6: length 30.1
  TOP w0.114: v1(21.62,92.43) 22.12,91.92 U1.1AB20
  TOP w0.127: UD1.E10 20.53,111.46 17.47,111.46 17.21,111.71 v1(15.66,111.71)
  L4 w0.076: 20.56,94.06 20.78,94.06 20.96,93.87 20.96,93.08 21.62,92.43 v1(21.62,92.43)
  L4 w0.114: 20.56,94.06 20.18,94.44 19.09,94.44 16.54,96.98 16.54,97.67 16.33,97.88 14.24,99.97 14.24,110.35 15.6,111.71 v1(15.66,111.71)
SDQ7: length 30.6
  TOP w0.089: UD1.D13 19.88,114.2 v1(19.88,114.65)
  TOP w0.114: U1.1AE24 19.8,93.35 v1(19.7,93.45)
  L4 w0.114: v1(19.88,114.65) 17.76,114.58 17.26,114.45 15.47,113.2 14.43,112.47 12.98,111.02 12.98,99.46 13.06,99.34 14.63,97.63 18.49,93.76 18.75,93.69 19.17,93.69 v1(19.7,93.45)
SDQ8: length 15.2
  TOP w0.089: UD1.D3 19.88,105.1 19.88,103.46
  TOP w0.114: v1(19.32,100.77) 19.74,100.35 19.95,100.35 20.08,100.48 20.08,100.59 19.6,101.07 T9.1 19.6,102.85 19.88,103.13 19.88,103.46 ; U1.1AF18 22.75,93.85 v1(22.63,93.97)
  L4 w0.114: v1(22.63,93.97) 22.63,94.27 21.95,94.94 21.8,94.94 21.34,95.4 21.34,95.7 20.62,96.42 20.62,99.35 19.77,100.2 19.77,100.32 v1(19.32,100.77)
